# KiCad board 8851_HW-U1-VCU118_REV2-0_071417.kicad_pcb (continued)
## Routing (per net, layer and track width the routed paths; a pad name or vN(x,y) marks a point on that pad's centre or on a via; arc(x,y) is an arc through that point) (continued)
DDR4_C2_DM3: length 60.3
  TOP w0.15: 127.69,73.17 v2(128.19,73.66) ; 155.86,59.5 v1(155.47,59.11)
  03_SIG1 w0.17: v2(128.19,73.66) 127.69,74.16 127.69,74.85 127.98,75.14 128.39,75.14 128.68,75.43 128.68,75.84 128.97,76.12 129.37,76.12 129.66,76.41 129.66,76.82 129.95,77.11 130.36,77.11 130.65,77.4 130.65,77.8 130.93,78.09 138.23,78.09 138.52,78.38 138.52,78.79 138.81,79.08 139.22,79.08 140.2,80.06 140.38,80.06 ; v1(155.47,59.11) 155.47,59.25 155.86,59.64 155.86,60.85 156.09,61.08 156.96,61.08 157.05,61.17 157.05,62.3 156.96,62.38 156.49,62.38 155.08,60.97 155.08,60.52 155.08,60.52 155.08,60.44 154.93,60.29 154.52,60.29 154.29,60.52 154.29,60.66 154.29,64 154.06,64.23 153.73,64.23 153.5,64.46 153.5,66.12 153.52,66.13
  03_SIG1 w0.258: 140.38,80.06 147.07,80.06 148.18,78.95 148.51,78.95 148.93,78.54 148.93,70.59 150.21,69.3 151.37,69.3 152.19,70.13 153.12,70.13 154.65,68.6 154.65,67.26 153.52,66.13
DDR4_C2_DM4: length 42.6
  TOP w0.15: 155.86,77.32 v1(155.47,76.92) ; v2(136.06,75.63) 135.57,75.14
  07_SIG3 w0.17: v1(155.47,76.92) 155.08,77.32 152.04,77.32 151.85,77.12 151.62,77.12 151.54,77.2 ; 139.62,78.07 138.79,78.07 138.52,77.8 138.52,77.49 138.14,77.11 137.82,77.11 137.54,76.82 137.54,76.26 137.35,76.07 136.79,76.07 136.35,75.63 v2(136.06,75.63)
  07_SIG3 w0.258: 151.54,77.2 151.06,77.68 150.48,77.68 150.21,77.95 149.73,77.95 149.6,77.83 149.6,77.47 149.88,77.2 149.88,76.85 149.69,76.67 149.39,76.67 149.21,76.85 148.96,76.85 148.68,76.56 148.68,76.31 149.03,75.95 149.34,75.95 149.48,75.8 149.48,74.58 149.3,74.4 149.03,74.4 148.88,74.56 148.88,75.05 148.69,75.23 148.53,75.23 148.15,74.85 147.88,74.85 147.56,75.16 147.56,75.44 147.78,75.65 147.79,75.65 147.79,75.85 147.64,75.99 146.8,75.99 146.66,76.13 146.66,76.4 146.78,76.53 147.66,76.53 147.81,76.68 147.81,77.14 147.64,77.3 147.4,77.3 147.15,77.05 146.9,77.05 146.69,77.26 146.69,78.55 146.56,78.68 146.29,78.68 146.14,78.53 146.14,77.18 146.01,77.05 145.78,77.05 145.59,77.24 145.59,78.55 145.46,78.68 145.19,78.68 145.04,78.53 145.04,77.72 144.91,77.58 144.63,77.58 144.49,77.73 144.49,78.55 144.36,78.68 144.09,78.68 143.94,78.53 143.94,77.72 143.81,77.58 143.53,77.58 143.39,77.73 143.39,78.55 143.26,78.68 142.99,78.68 142.84,78.53 142.84,77.72 142.7,77.58 142.16,77.58 141.41,78.33 141.05,78.33 140.8,78.07 139.62,78.07
DDR4_C2_DM5: length 34.9
  TOP w0.15: 155.86,73.38 v1(155.47,72.99) ; v2(138.03,81.54) 137.54,81.05
  05_SIG2 w0.17: v1(155.47,72.99) 155.47,73.22 155.86,73.61 155.86,79.53 155.69,79.7 153.71,79.7 153.55,79.86 153.55,80.01 ; 140.38,83.04 139.37,82.03 138.68,82.03 138.19,81.54 v2(138.03,81.54)
  05_SIG2 w0.258: 140.38,83.04 142.33,85 151.7,85 152.34,84.35 152.34,84.15 152.12,83.93 152.12,83.74 152.32,83.54 152.5,83.54 152.73,83.77 152.93,83.77 153.12,83.58 153.12,83.37 152.87,83.12 152.87,82.92 153.06,82.73 153.25,82.73 153.51,82.99 153.7,82.99 155,81.7 155,80.66 154.6,80.27 153.72,80.27 153.55,80.1 153.55,80.01
DDR4_C2_DM6: length 70
  TOP w0.15: 132.62,78.09 v2(133.11,78.59) ; 155.86,91.19 v1(155.47,90.8)
  07_SIG3 w0.17: v2(133.11,78.59) 133.22,78.48 133.22,78.24 133.03,78.05 132.72,78.05 132.6,78.17 132.6,78.94 132.76,79.11 133.34,79.11 133.6,79.37 133.6,80.5 133.6,80.88 133.77,81.05 134.04,81.05 134.05,81.05 135.28,81.05 135.57,81.33 135.57,81.49 135.57,81.49 135.57,81.9 135.69,82.03 136.22,82.03 136.44,82.03 136.55,82.15 136.55,82.37 136.55,82.37 136.55,82.85 136.73,83.03 137.41,83.03 137.58,83.2 137.58,83.82 137.4,84 136.72,84 136.55,84.17 136.55,87.63 136.25,87.92 136.05,87.92 135.94,88.04 135.94,88.24 136.16,88.46 136.36,88.46 136.91,87.9 137.43,87.9 137.55,87.78 137.55,87.35 137.65,87.25 137.79,87.25 137.89,87.35 137.89,87.85 137.99,87.95 138.13,87.95 138.23,87.85 138.23,87.35 138.33,87.25 138.47,87.25 138.57,87.35 138.57,87.77 138.7,87.9 138.85,87.9 138.95,87.8 138.95,87.7 139.04,87.6 139.19,87.6 139.29,87.7 139.29,87.8 139.38,87.9 140.05,87.9 140.18,87.77 140.38,87.77 ; 151.54,90.47 151.6,90.54 151.77,90.54 151.85,90.46 151.85,89.92 151.93,89.83 152.08,89.83 152.19,89.94 152.19,90.26 152.29,90.36 152.43,90.36 152.53,90.26 152.53,89.97 152.62,89.87 152.76,89.87 152.87,89.98 152.87,90.29 152.97,90.39 153.11,90.39 153.21,90.29 153.21,89.93 153.31,89.83 153.45,89.83 153.55,89.93 153.55,90.28 153.63,90.36 153.85,90.36 153.95,90.26 153.95,89.98 154.1,89.82 154.68,89.82 154.76,89.9 154.76,90.22 154.65,90.33 154.4,90.33 154.29,90.44 154.29,90.96 154.52,91.19 155.38,91.19 155.47,91.1 v1(155.47,90.8)
  07_SIG3 w0.258: 140.38,87.77 146.88,87.77 147.07,87.58 147.31,87.58 147.68,87.96 147.68,88.19 147.54,88.34 137.7,88.34 137.7,88.33 137.26,88.33 137.03,88.57 137.03,88.85 137.22,89.05 137.8,89.05 137.99,88.86 147.69,88.86 147.76,88.79 148.94,88.79 149.11,88.63 149.11,88.44 149.29,88.25 150.14,88.25 150.37,88.48 150.37,89.72 150.53,89.88 150.94,89.88 151.54,90.47
DDR4_C2_DM7: length 57.9
  TOP w0.15: 130.65,76.12 v2(131.14,76.62) ; 155.86,87.25 v1(155.47,86.86)
  14_SIG4 w0.087: 157.44,93.88 157.44,89.5 156.65,88.71 156.65,88.27 156.42,88.04 156.1,88.04 155.87,87.81 155.87,87.26 v1(155.47,86.86) ; v2(131.14,76.62) 130.65,77.11 129.95,77.11 129.66,77.4 129.66,77.8 129.37,78.09 128.97,78.09 128.68,78.38 128.68,78.79 128.39,79.08 127.98,79.08 127.69,79.37 127.69,79.77 127.41,80.06 127,80.06 126.71,80.35 126.71,82.73 127,83.01 127.41,83.01 127.69,83.3 127.69,83.71 127.98,84 128.39,84 128.68,84.29 128.68,84.69 128.97,84.98 129.37,84.98 129.66,85.27 129.66,85.68 129.95,85.97 130.36,85.97 130.65,86.26 130.65,86.66 130.94,86.95 132.33,86.95 132.62,87.24 132.62,87.63
  14_SIG4 w0.138: 132.62,87.63 132.62,88.08 139.61,95.07 140.3,95.07 142.23,97 149.05,97 149.28,96.77 154.8,96.77 157.44,94.13 157.44,93.88
DDR4_C2_DM8: length 70.3
  TOP w0.15: 155.86,35.44 v1(155.47,35.05) ; v2(138.03,70.71) 137.54,70.22
  14_SIG4 w0.087: 139.47,70.24 138.5,70.24 v2(138.03,70.71) ; 157.44,37.63 157.44,36.53 157.44,36.52 157.44,36.46 157.21,36.23 156.2,36.23 156.19,36.23 156.1,36.23 155.87,36 155.87,35.63 155.57,35.33 155.57,35.15 v1(155.47,35.05)
  14_SIG4 w0.138: 139.47,70.24 140.2,70.24 141.16,69.28 141.16,62.15 141.74,61.58 141.74,58.19 142.06,57.86 142.55,57.86 143.07,57.34 143.07,52 144.62,50.45 144.62,48.99 144.62,47.7 145.35,46.97 145.35,43.44 145.54,43.25 148.57,43.25 149.29,42.53 149.29,42.1 150.19,41.2 150.19,40.72 150.58,40.33 151.08,40.33 151.28,40.52 151.28,40.96 152.05,41.74 152.35,41.74 154.91,41.74 155.07,41.9 155.07,43.7 155.24,43.86 155.47,43.86 155.63,43.7 155.63,41.9 155.8,41.74 156.03,41.74 156.2,41.9 156.2,43.7 156.36,43.86 156.59,43.86 156.92,43.53 157.42,43.53 157.59,43.37 157.59,43.14 157.42,42.97 156.92,42.97 156.76,42.81 156.76,41.9 156.92,41.74 157.46,41.74 157.64,41.56 157.64,41.21 157.49,41.07 156.09,41.07 155.93,40.9 155.93,40.46 156.11,40.27 157.25,40.27 157.44,40.09 157.44,39.71 157.25,39.52 156.11,39.52 155.93,39.34 155.93,38.96 156.11,38.77 157.25,38.77 157.44,38.59 157.44,37.63
DDR4_C2_DM9: length 57.8
  TOP w0.15: 155.86,31.5 v1(155.47,31.11) ; v2(134.09,70.71) 133.6,70.22
  03_SIG1 w0.17: 139.53,47.34 139.27,47.6 138.82,47.6 138.52,47.9 138.52,58.14 138.25,58.41 137.81,58.41 137.54,58.68 137.54,59.11 137.25,59.39 136.8,59.39 136.55,59.64 136.55,60.09 136.26,60.38 135.86,60.38 135.57,60.67 135.57,61.13 135.34,61.36 134.87,61.36 134.58,61.65 134.58,62.06 134.3,62.35 133.87,62.35 133.6,62.62 133.6,64.07 133.33,64.34 132.88,64.34 131.63,65.59 131.63,68.54 131.63,68.95 131.92,69.23 131.93,69.23 132.39,69.24 132.62,69.47 132.62,69.94 132.89,70.22 133.6,70.22 v2(134.09,70.71) ; v1(155.47,31.11) 155.08,30.72 151.87,30.72 151.79,30.64 151.54,30.64
  03_SIG1 w0.258: 139.53,47.34 139.53,44.11 147.93,35.71 147.93,33.22 150.51,30.64 151.54,30.64
DDR4_C2_DQ0: length 67.5
  TOP w0.15: v2(137.04,71.7) 136.55,71.2 ; 157.44,45.63 v1(157.05,45.24)
  07_SIG3 w0.17: 139.47,66.02 139.22,66.28 138.81,66.28 138.52,66.57 138.52,68.03 138.3,68.25 137.7,68.25 137.54,68.41 137.54,70.87 137.54,70.92 137.04,71.41 v2(137.04,71.7) ; 151.54,44.88 151.71,44.72 151.95,44.72 152.08,44.84 152.49,44.84 152.71,44.61 152.71,44.22 152.88,44.05 156.42,44.05 156.65,44.28 156.65,44.58 156.66,44.58 156.66,44.61 157.05,45 v1(157.05,45.24)
  07_SIG3 w0.258: 151.54,44.88 151.38,45.05 151.38,45.73 150.92,46.19 150.51,46.19 150.11,45.79 149.81,45.79 149.26,46.35 149.26,46.65 149.59,46.98 149.59,47.2 149.44,47.35 149.23,47.35 148.85,46.97 148.76,46.97 148.5,47.23 148.5,47.45 148.73,47.68 148.73,48.37 148.35,48.75 147.2,48.75 146.9,49.05 146.9,51.05 145.85,52.1 144.67,52.1 143.11,53.65 142.63,53.65 142.12,54.16 142.12,54.4 141.98,54.54 141.74,54.54 141.6,54.4 141.6,53.15 141.46,53.01 141.19,53.01 141.05,53.15 141.05,54.4 140.91,54.54 140.56,54.54 140.42,54.67 140.42,54.92 140.58,55.09 141.98,55.09 142.12,55.22 142.12,55.5 141.98,55.64 140.61,55.64 140.47,55.77 140.47,56.02 140.63,56.19 141.98,56.19 142.12,56.32 142.12,56.6 141.98,56.74 140.56,56.74 140.42,56.87 140.42,57.1 140.61,57.29 141.98,57.29 142.12,57.42 142.12,57.7 141.98,57.84 140.56,57.84 140.42,57.97 140.42,58.2 140.61,58.39 141.98,58.39 142.12,58.52 142.12,58.8 141.98,58.94 140.56,58.94 140.42,59.07 140.42,59.3 140.61,59.49 141.98,59.49 142.12,59.62 142.12,59.9 141.97,60.04 140.58,60.04 140.44,60.18 140.44,60.41 140.62,60.59 142,60.59 142.14,60.73 142.14,61.01 142.01,61.14 140.81,61.14 140.67,61.27 140.67,64.56 139.68,65.55 139.68,65.81 139.47,66.02
DDR4_C2_DQ1: length 66.3
  TOP w0.15: v2(138.03,71.7) 137.54,71.2 ; 156.65,49.57 v1(156.26,49.17)
  07_SIG3 w0.17: 139.47,70.95 139.22,71.2 138.81,71.2 138.32,71.7 v2(138.03,71.7) ; 151.54,48.07 152.23,47.38 152.4,47.38 152.71,47.06 152.71,45.87 152.72,45.87 152.72,45.86 152.95,45.63 152.95,45.63 152.96,45.63 156.42,45.63 156.65,45.86 156.65,46.18 156.88,46.42 157.21,46.42 157.44,46.65 157.44,47.19 156.96,47.66 156.75,47.66 156.56,47.48 156.35,47.48 156.2,47.62 156.2,47.84 156.39,48.02 156.39,48.24 156.26,48.37 v1(156.26,49.17)
  07_SIG3 w0.258: 151.54,48.07 150.97,48.64 150.25,48.64 149.95,48.94 149.95,49.26 150.04,49.36 150.04,49.68 149.82,49.91 149.5,49.91 149.4,49.81 149.08,49.81 148.93,49.96 148.93,50.31 149.15,50.54 149.22,50.54 149.45,50.76 149.45,51.08 149.22,51.31 148.67,51.31 148.53,51.45 148.53,51.71 148.27,51.97 147.81,51.97 146.27,53.51 145.05,53.51 144.92,53.65 144.92,53.92 145.05,54.06 146.34,54.06 146.48,54.19 146.48,54.47 146.33,54.61 145.05,54.61 144.92,54.75 144.92,55.02 145.05,55.16 146.39,55.16 146.51,55.28 146.51,55.56 146.36,55.71 145.05,55.71 144.92,55.85 144.92,56.12 145.05,56.26 146.39,56.26 146.52,56.38 146.52,56.66 146.36,56.81 145.05,56.81 144.92,56.95 144.92,57.22 145.05,57.36 146.35,57.36 146.48,57.49 146.48,57.77 146.34,57.91 145.05,57.91 144.92,58.05 144.92,58.32 145.05,58.46 146.38,58.46 146.5,58.58 146.5,58.85 146.34,59.01 145.05,59.01 144.92,59.15 144.92,59.42 145.06,59.57 146.33,59.57 146.47,59.7 146.47,59.98 146.34,60.11 145.05,60.11 144.92,60.25 144.92,60.52 145.05,60.66 146.37,60.66 146.48,60.77 146.48,61.25 146.34,61.39 144.62,61.39 142.28,63.73 142.28,66.03 141.98,66.32 141.07,66.32 140.15,67.25 140.15,70.27 139.47,70.95
  vias: v1(157.05,46.02)
DDR4_C2_DQ2: length 64.5
  TOP w0.15: v2(137.04,73.66) 136.55,73.17 ; 158.23,46.42 v1(157.83,46.81)
  07_SIG3 w0.17: 151.54,46.92 151.54,46.64 151.77,46.41 151.77,45.8 151.95,45.63 152.49,45.63 152.71,45.4 152.71,45.07 152.94,44.84 156.42,44.84 156.65,45.07 156.65,45.4 156.88,45.63 157.21,45.63 157.44,45.86 157.44,46.19 157.83,46.58 v1(157.83,46.81) ; v2(137.04,73.66) 137.04,73.24 137.13,73.15 137.43,73.15 137.54,73.04 137.54,71.36 137.7,71.2 138.28,71.2 138.52,70.97 138.52,69.35 138.64,69.23 139.28,69.23 139.51,69
  07_SIG3 w0.258: 151.54,46.92 151.01,47.45 150.33,47.45 149.53,48.25 149.53,48.47 147.91,50.09 147.85,50.09 147.53,50.41 147.53,51.34 146.06,52.82 144.84,52.82 144.28,53.38 144.28,54.15 144.14,54.29 142.89,54.29 142.75,54.43 142.75,54.7 142.89,54.84 144.14,54.84 144.28,54.98 144.28,55.25 144.14,55.39 142.89,55.39 142.75,55.53 142.75,55.8 142.89,55.94 144.14,55.94 144.28,56.08 144.28,56.35 144.14,56.49 142.89,56.49 142.75,56.63 142.75,56.9 142.89,57.04 144.14,57.04 144.28,57.18 144.28,57.45 144.14,57.59 142.89,57.59 142.75,57.73 142.75,58 142.89,58.14 144.14,58.14 144.28,58.28 144.28,58.55 144.14,58.69 142.89,58.69 142.75,58.83 142.75,59.1 142.89,59.24 144.14,59.24 144.28,59.38 144.28,59.65 144.14,59.79 142.89,59.79 142.75,59.93 142.75,60.2 142.89,60.34 144.14,60.34 144.28,60.48 144.28,60.8 143.85,61.23 143.64,61.23 143.39,60.98 143.17,60.98 143.02,61.13 143.02,61.34 143.27,61.59 143.27,61.8 143.12,61.96 142.91,61.96 142.66,61.71 142.44,61.71 142.29,61.86 142.29,62.07 142.54,62.32 142.54,62.53 142.39,62.68 142.18,62.68 141.93,62.43 141.72,62.43 141.56,62.59 141.56,62.8 141.81,63.05 141.81,63.26 141.46,63.62 141.46,64.98 139.51,66.93 139.51,69
DDR4_C2_DQ3: length 64.6
  TOP w0.15: v2(138.03,74.65) 137.54,74.16 ; 158.23,49.57 v1(157.83,49.17)
  07_SIG3 w0.17: 159.45,44.01 159.5,44.06 159.5,47.41 157.83,49.08 v1(157.83,49.17) ; v2(138.03,74.65) 137.54,75.14 135.94,75.14 135.57,74.77 135.57,73.55 135.19,73.17 134.96,73.17 134.58,72.79 134.58,72.56 134.21,72.19 133.97,72.19 133.6,71.81 133.6,67.62 133.96,67.27 134.26,67.27 134.58,66.94 134.58,66.66 134.97,66.28 135.19,66.28 135.57,65.91 135.57,65.11 136.55,64.13 136.55,52.79 136.84,52.5 137.24,52.5 137.54,52.2 137.54,51.85 137.89,51.49 138.28,51.49 138.51,51.26 138.51,50.88 138.9,50.49 139.27,50.49 140.38,49.38
  07_SIG3 w0.258: 140.38,49.38 148.08,41.67 148.3,41.67 149.66,40.32 155.76,40.32 159.45,44.01
DDR4_C2_DQ4: length 65.1
  TOP w0.15: v2(136.06,74.65) 135.57,74.16 ; 158.23,45.63 v1(157.83,45.24)
  07_SIG3 w0.17: 140.34,51.74 139.91,52.17 139.61,52.17 139.27,52.5 138.78,52.5 138.52,52.76 138.52,64.09 138.16,64.45 137.75,64.45 137.54,64.66 137.54,65.99 137.25,66.28 136.84,66.28 136.55,66.57 136.55,66.98 136.26,67.27 135.86,67.27 135.57,67.55 135.57,71.9 135.86,72.19 136.34,72.19 136.55,72.4 136.55,74.16 v2(136.06,74.65) ; v1(157.83,45.24) 158.23,44.84 158.23,44.2 158.03,44.01
  07_SIG3 w0.258: 140.34,51.74 141.11,51.74 141.58,51.27 142.07,51.27 142.4,51.59 142.4,51.91 142.56,52.08 142.88,52.08 143.56,51.4 143.56,51.16 143.43,51.03 142.58,51.03 142.44,50.89 142.44,50.62 142.58,50.48 143.28,50.48 143.41,50.34 143.41,49.21 143.05,48.85 143.05,48.62 143.93,47.75 144.41,47.75 144.7,48.04 145.02,48.04 145.18,47.88 145.18,47.69 144.66,47.17 144.66,46.98 144.86,46.78 145.05,46.78 145.57,47.3 145.76,47.3 145.96,47.1 145.96,46.91 145.45,46.4 145.45,46.19 145.64,46 145.82,46 146.35,46.52 146.54,46.52 147.11,45.95 147.11,45.49 146.73,45.11 146.73,44.92 146.92,44.73 147.13,44.73 147.37,44.97 147.56,44.97 147.98,44.55 148.43,44.55 149.89,43.08 151.21,43.08 151.83,42.46 152.24,42.46 152.38,42.6 152.38,42.9 152.52,43.04 152.79,43.04 152.93,42.9 152.93,42.6 153.07,42.46 153.34,42.46 153.48,42.6 153.48,42.9 153.62,43.04 153.89,43.04 154.03,42.9 154.03,42.6 154.17,42.46 154.44,42.46 154.58,42.6 154.58,42.9 154.72,43.04 154.99,43.04 155.13,42.9 155.13,42.6 155.27,42.46 155.54,42.46 155.68,42.6 155.68,42.9 155.82,43.04 156.09,43.04 156.23,42.9 156.23,42.6 156.37,42.46 156.49,42.46 158.03,44.01
DDR4_C2_DQ5: length 64.4
  TOP w0.15: v2(137.04,74.65) 136.55,74.16 ; 158.23,50.35 v1(157.83,50.75)
  07_SIG3 w0.17: v2(137.04,74.65) 137.54,74.16 137.54,73.42 137.79,73.17 139.21,73.17 ; 157.44,52.26 157.44,51.14 v1(157.83,50.75)
  07_SIG3 w0.258: 157.44,52.26 157.44,55.07 157.44,55.07 157.44,55.55 157.11,55.88 155.92,55.88 155.69,55.65 155.69,53.93 155.92,53.7 156.35,53.7 156.57,53.48 156.57,53.16 156.35,52.93 155.92,52.93 155.69,52.7 155.69,52.45 155.46,52.22 155.14,52.22 154.92,52.45 154.92,55.18 154.69,55.41 154.37,55.41 154.14,55.18 154.14,52.45 153.92,52.22 153.6,52.22 153.37,52.45 153.37,55.18 153.15,55.41 152.83,55.41 152.6,55.18 152.6,52.85 152.37,52.62 152.05,52.62 151.83,52.85 151.83,55.18 151.6,55.41 150.18,55.41 150.05,55.27 150.05,53.89 149.91,53.75 149.5,53.75 149.36,53.89 149.36,55.27 149.22,55.41 148.97,55.41 148.7,55.67 148.7,67.57 147.35,68.92 146.25,68.92 145.95,69.22 145.95,70.61 143.34,73.22 139.52,73.22 139.47,73.17 139.21,73.17
DDR4_C2_DQ6: length 67.5
  TOP w0.15: 159.01,46.42 v1(158.62,46.81) ; v2(136.06,72.68) 135.57,72.19
  07_SIG3 w0.17: v1(158.62,46.81) 159.07,46.35 159.07,44.28 158.8,44 158.77,44 ; v2(136.06,72.68) 135.75,72.68 135.26,72.19 134.87,72.19 134.58,71.9 134.58,67.55 134.87,67.27 135.28,67.27 135.57,66.98 135.57,66.57 135.86,66.28 136.26,66.28 136.55,65.99 136.55,65.02 137.54,64.04 137.54,52.75 137.79,52.5 138.23,52.5 138.52,52.21 138.52,51.78 138.79,51.52 139.25,51.52 139.53,51.24 139.53,50.97 139.76,50.75
  07_SIG3 w0.258: 158.77,44 156.7,41.93 155.55,41.93 155.41,41.79 155.41,41 155.27,40.86 155,40.86 154.86,41 154.86,41.79 154.72,41.93 154.45,41.93 154.31,41.79 154.31,41 154.17,40.86 153.9,40.86 153.76,41 153.76,41.79 153.62,41.93 153.35,41.93 153.21,41.79 153.21,41 153.07,40.86 152.8,40.86 152.66,41 152.66,41.79 152.52,41.93 152.25,41.93 152.11,41.79 152.11,41 151.97,40.86 151.7,40.86 151.56,41 151.56,41.62 151.32,41.86 150.27,41.86 150.14,41.74 150.14,41.25 150,41.11 149.78,41.11 149.32,41.57 149.32,41.97 149.53,42.17 149.55,42.17 149.55,42.45 148.96,43.04 147.65,43.04 141.99,48.69 141.99,48.9 142.56,49.46 142.56,49.66 142.36,49.85 142.17,49.85 141.66,49.34 141.43,49.34 141.25,49.52 141.25,49.71 141.78,50.24 141.78,50.44 141.58,50.63 141.39,50.63 140.8,50.04 140.66,50.04 140.44,50.25 140.44,50.46 140.65,50.66 140.65,50.96 140.51,51.1 140.3,51.1 139.95,50.75 139.76,50.75
DDR4_C2_DQ7: length 66.6
  TOP w0.15: v2(137.04,72.68) 136.55,72.19 ; 159.01,49.57 v1(158.62,49.17)
  07_SIG3 w0.087: 157.44,44.04 157.41,44.01
  07_SIG3 w0.17: 139.77,63.88 139.77,64.66 139.6,64.83 139.22,64.83 138.9,64.5 138.65,64.5 138.52,64.63 138.52,66.15 138.39,66.28 137.67,66.28 137.54,66.41 137.54,67.14 137.41,67.27 136.73,67.27 136.55,67.45 136.55,71.89 137.04,72.38 v2(137.04,72.68) ; 157.44,44.04 157.44,45.4 157.67,45.63 158.1,45.63 158.23,45.75 158.23,47.16 157.44,47.95 157.44,49.39 157.62,49.57 158.23,49.57 v1(158.62,49.17)
  07_SIG3 w0.258: 157.41,44.01 156.94,43.53 151.93,43.53 150.68,44.79 149.61,44.79 149.5,44.67 149.3,44.67 149.11,44.87 149.11,45.06 149.22,45.17 149.22,45.37 148.42,46.17 147.79,46.17 146.98,46.98 146.98,47.17 147.53,47.71 147.53,47.89 147.32,48.09 147.13,48.09 146.59,47.56 146.4,47.56 146.26,47.7 146.26,48.54 146.12,48.68 144.19,48.68 144.05,48.82 144.05,49.09 144.19,49.23 146.1,49.23 146.22,49.34 146.22,49.62 146.06,49.78 144.19,49.78 144.05,49.92 144.05,50.4 144.35,50.7 145.25,50.7 145.62,50.33 146.12,50.33 146.26,50.47 146.26,50.79 145.59,51.46 144.4,51.46 143.15,52.71 142.07,52.71 141.73,52.37 140.6,52.37 139.77,53.21 139.77,63.88
DDR4_C2_DQ8: length 53.9
  TOP w0.15: 133.6,73.17 v2(134.09,73.66) ; 152.71,46.42 v1(152.32,46.81)
  14_SIG4 w0.087: v2(134.09,73.66) 134.58,73.17 135.28,73.17 135.57,73.46 135.57,73.87 135.86,74.16 136.26,74.16 136.55,74.44 136.55,74.85 136.84,75.14 137.25,75.14 137.54,75.43 137.54,75.84 137.82,76.12 139.23,76.12 139.47,75.88 ; v1(152.32,46.81) 152.32,47.36 152.15,47.53 151.54,47.53
  14_SIG4 w0.138: 139.47,75.88 140.51,74.84 140.78,74.84 141.36,75.43 141.62,75.43 141.89,75.16 141.89,74.9 141.31,74.31 141.31,74.05 141.57,73.78 141.84,73.78 142.42,74.37 142.68,74.37 142.95,74.1 142.95,73.84 142.37,73.25 142.37,72.99 142.63,72.72 142.9,72.72 143.48,73.31 143.74,73.31 144.01,73.04 144.01,72.78 143.43,72.19 143.43,71.93 144.65,70.7 144.65,66.84 145.08,66.41 147.44,66.41 147.85,66 147.85,63.58 144.93,60.65 144.93,59.99 146.26,58.66 146.26,53.34 148.81,50.79 148.81,49.26 150.54,47.53 151.54,47.53
DDR4_C2_DQ9: length 51.7
  TOP w0.15: 134.58,74.16 v2(135.08,74.65) ; 153.5,50.35 v1(153.11,50.75)
  14_SIG4 w0.087: v1(153.11,50.75) 153.11,50.51 153.5,50.12 153.5,49.01 153.27,48.78 151.8,48.78 151.54,49.04 ; v2(135.08,74.65) 135.08,74.85 135.57,75.35 135.57,75.84 135.86,76.12 136.26,76.12 136.55,76.41 136.55,76.82 136.84,77.11 137.25,77.11 137.54,77.4 137.54,77.8 137.82,78.09 139.47,78.09
  14_SIG4 w0.138: 139.47,78.09 141.19,78.09 141.42,77.86 141.42,77.59 141.2,77.37 141.2,77.1 141.47,76.84 141.73,76.84 141.95,77.06 142.22,77.06 146.4,72.88 146.4,71.38 146.26,71.24 146.16,71.24 146.03,71.1 146.03,70.83 146.16,70.69 146.26,70.69 146.4,70.55 146.4,68 146.65,67.75 147.91,67.75 149.12,66.53 149.12,63.05 146.68,60.6 146.68,60.05 146.9,59.83 147.3,59.83 147.53,59.59 147.53,53.87 150.18,51.22 150.18,50.44 150.55,50.08 151.05,50.08 151.35,49.78 151.35,49.23 151.54,49.04
DDR4_C2_DQ10: length 53.1
  TOP w0.15: 154.29,46.42 v1(153.9,46.81) ; 133.6,71.2 v2(134.09,71.7)
  14_SIG4 w0.087: 139.42,72.98 139.23,73.17 137.82,73.17 137.54,72.88 137.54,72.48 137.25,72.19 136.84,72.19 136.55,71.9 136.55,71.49 136.26,71.2 134.58,71.2 v2(134.09,71.7) ; v1(153.9,46.81) 154.29,46.42 154.29,45.86 154.06,45.63 153.74,45.63 153.5,45.4 153.5,45.37 153.5,45.37 153.5,44.01
  14_SIG4 w0.138: 153.5,44.01 153.5,43.74 153.69,43.55 153.69,43.27 153.44,43.01 151.17,43.01 150.96,43.22 150.65,43.22 150.14,43.73 150.14,44.36 148.38,46.11 147.75,46.11 147.57,45.93 147.57,45.31 147.13,44.87 146.87,44.87 146.73,45 146.73,47.55 146.03,48.25 146.03,50.85 144.35,52.53 144.35,57.87 143.01,59.2 143.01,62.32 142.54,62.79 142.54,69.87 139.42,72.98
DDR4_C2_DQ11: length 53.7
  TOP w0.15: 154.29,49.57 v1(153.9,49.17) ; 133.6,72.19 v2(134.09,72.68)
  14_SIG4 w0.087: v2(134.09,72.68) 133.6,73.17 133.6,73.87 133.89,74.16 135.28,74.16 135.57,74.44 135.57,74.93 135.78,75.14 136.26,75.14 136.55,75.43 136.55,75.84 136.84,76.12 137.25,76.12 137.54,76.41 137.54,76.82 137.82,77.11 139.47,77.11 ; 151.54,48.3 153.4,48.3 153.9,48.8 v1(153.9,49.17)
  14_SIG4 w0.138: 151.54,48.3 151.31,48.3 151.01,48.6 150.45,48.6 149.5,49.55 149.5,51 146.9,53.61 146.9,58.92 145.82,59.99 145.82,60.65 148.49,63.31 148.49,66.26 147.64,67.11 145.6,67.11 145.34,67.37 145.34,69.24 145.71,69.61 145.71,69.99 145.34,70.36 145.34,71.25 144.94,71.65 144.72,71.65 144.54,71.84 144.54,72.21 144.72,72.4 145.19,72.4 145.44,72.66 145.44,72.86 142.16,76.15 140.43,76.15 139.47,77.11
DDR4_C2_DQ12: length 55.3
  TOP w0.15: 131.63,72.19 v2(132.12,72.68) ; 154.29,45.63 v1(153.9,45.24)
  14_SIG4 w0.087: v1(153.9,45.24) 154.29,44.84 154.29,44.01 ; 139.58,71.84 139.23,72.19 137.82,72.19 137.54,71.9 137.54,71.49 137.25,71.2 136.84,71.2 136.55,70.92 136.55,70.51 136.26,70.22 133.89,70.22 133.6,70.51 133.6,70.91 133.31,71.2 132.9,71.2 132.62,71.49 132.62,72.14 132.12,72.63 v2(132.12,72.68)
  14_SIG4 w0.138: 139.58,71.84 141.85,69.57 141.85,62.51 142.38,61.98 142.38,58.94 143.71,57.6 143.71,52.27 145.34,50.63 145.34,47.96 146.05,47.25 146.05,45.32 146.05,45.32 146.05,44.3 146.32,44.03 147.26,44.03 147.93,44.7 148.4,44.7 149.45,43.66 149.45,43.45 150,42.89 150,42.42 150.63,41.79 151.1,41.79 151.68,42.37 153.85,42.37 154.29,42.81 154.29,44.01
DDR4_C2_DQ13: length 54.4
  TOP w0.15: 154.29,50.35 v1(153.9,50.75) ; 131.63,73.17 v2(132.12,73.66)
  14_SIG4 w0.087: v1(153.9,50.75) 154.29,51.14 154.29,52.14 154.17,52.26 ; v2(132.12,73.66) 131.63,74.16 131.63,75.84 131.92,76.12 132.33,76.12 132.62,76.41 132.62,76.82 132.9,77.11 133.31,77.11 133.6,77.4 133.6,77.8 133.89,78.09 134.3,78.09 134.58,78.38 134.58,78.79 134.87,79.08 135.28,79.08 135.57,79.37 135.57,79.77 135.86,80.06 136.26,80.06 136.55,80.35 136.55,80.76 136.84,81.05 140.38,81.05
  14_SIG4 w0.138: 154.17,52.26 151.86,54.56 151.86,63.99 151.7,64.15 151.7,67.5 149.95,69.25 149.95,75.39 148.89,76.45 147.92,76.45 143.11,81.26 141.04,81.26 140.83,81.05 140.38,81.05
DDR4_C2_DQ14: length 54
  TOP w0.15: 132.62,73.17 v2(133.11,73.66) ; 155.08,46.42 v1(154.68,46.81)
  14_SIG4 w0.087: 151.54,45.25 151.73,45.25 152.14,44.84 152.48,44.84 152.71,45.07 152.71,45.39 152.95,45.63 153.27,45.63 153.5,45.86 153.5,47.38 153.92,47.8 155.19,47.8 155.35,47.64 155.35,47.33 155.18,47.17 155.04,47.17 v1(154.68,46.81) ; 139.44,73.95 139.23,74.16 137.82,74.16 137.54,73.87 137.54,73.46 137.25,73.17 136.84,73.17 136.55,72.88 136.55,72.48 136.26,72.19 132.9,72.19 132.62,72.48 132.62,73.56 132.72,73.66 v2(133.11,73.66)
  14_SIG4 w0.138: 151.54,45.25 151.25,45.25 150.85,44.85 150.85,44.84 150.62,44.84 149.33,46.14 149.33,46.79 148.62,47.5 147.93,47.5 146.72,48.71 146.72,51.06 144.98,52.8 144.98,58.13 143.65,59.47 143.65,62.81 143.23,63.23 143.23,70.16 139.44,73.95
DDR4_C2_DQ15: length 53.8
  TOP w0.15: 132.62,74.16 v2(133.11,74.65) ; 155.08,49.57 v1(154.68,49.17)
  14_SIG4 w0.087: v1(154.68,49.17) 154.29,49.57 154.29,50.12 154.05,50.36 153.73,50.36 153.5,50.58 153.5,51.8 153.05,52.26 ; 140.38,80.06 136.84,80.06 136.55,79.77 136.55,79.37 136.26,79.08 135.86,79.08 135.57,78.79 135.57,78.38 135.28,78.09 134.87,78.09 134.58,77.8 134.58,77.4 134.3,77.11 133.89,77.11 133.6,76.82 133.6,76.46 133.26,76.12 132.9,76.12 132.62,75.84 132.62,75.14 v2(133.11,74.65)
  14_SIG4 w0.138: 153.05,52.26 152.7,52.6 151.57,52.6 150.43,53.75 150.43,61.28 151.25,62.1 151.25,63.7 150.97,63.97 150.97,67.03 149.12,68.88 149.12,72.17 148.62,72.67 148.62,73.12 149.12,73.62 149.12,74.04 142.65,80.52 141.63,80.52 141.17,80.06 140.38,80.06
DDR4_C2_DQ16: length 46.2
  TOP w0.15: 157.44,59.5 v1(157.05,59.11) ; 130.65,71.2 v2(131.14,71.7)
  TOP w0.375: v2(123.26,50.04) U1.AV30
  05_SIG2 w0.17: 151.54,62.23 151.56,62.22 154.41,62.22 154.72,61.91 156.49,61.91 156.65,61.76 157.85,61.76 157.97,61.63 157.97,61.34 157.72,61.08 157.57,61.08 157.44,60.95 157.44,60.45 157.28,60.29 156.82,60.29 156.65,60.13 156.65,59.5 v1(157.05,59.11) ; 140.38,64.28 139.45,65.2 137.92,65.2 137.54,65.59 137.54,65.99 137.25,66.28 136.84,66.28 136.55,66.57 136.55,66.98 136.26,67.27 135.86,67.27 135.57,67.55 135.57,67.96 135.28,68.25 134.87,68.25 134.58,68.54 134.58,68.95 134.3,69.24 133.93,69.24 133.6,69.56 133.6,69.93 133.31,70.22 132.9,70.22 132.62,70.51 132.62,70.92 132.33,71.2 132.01,71.2 131.52,71.7 v2(131.14,71.7)